# KiCad board st251_20934.kicad_pcb (continued)
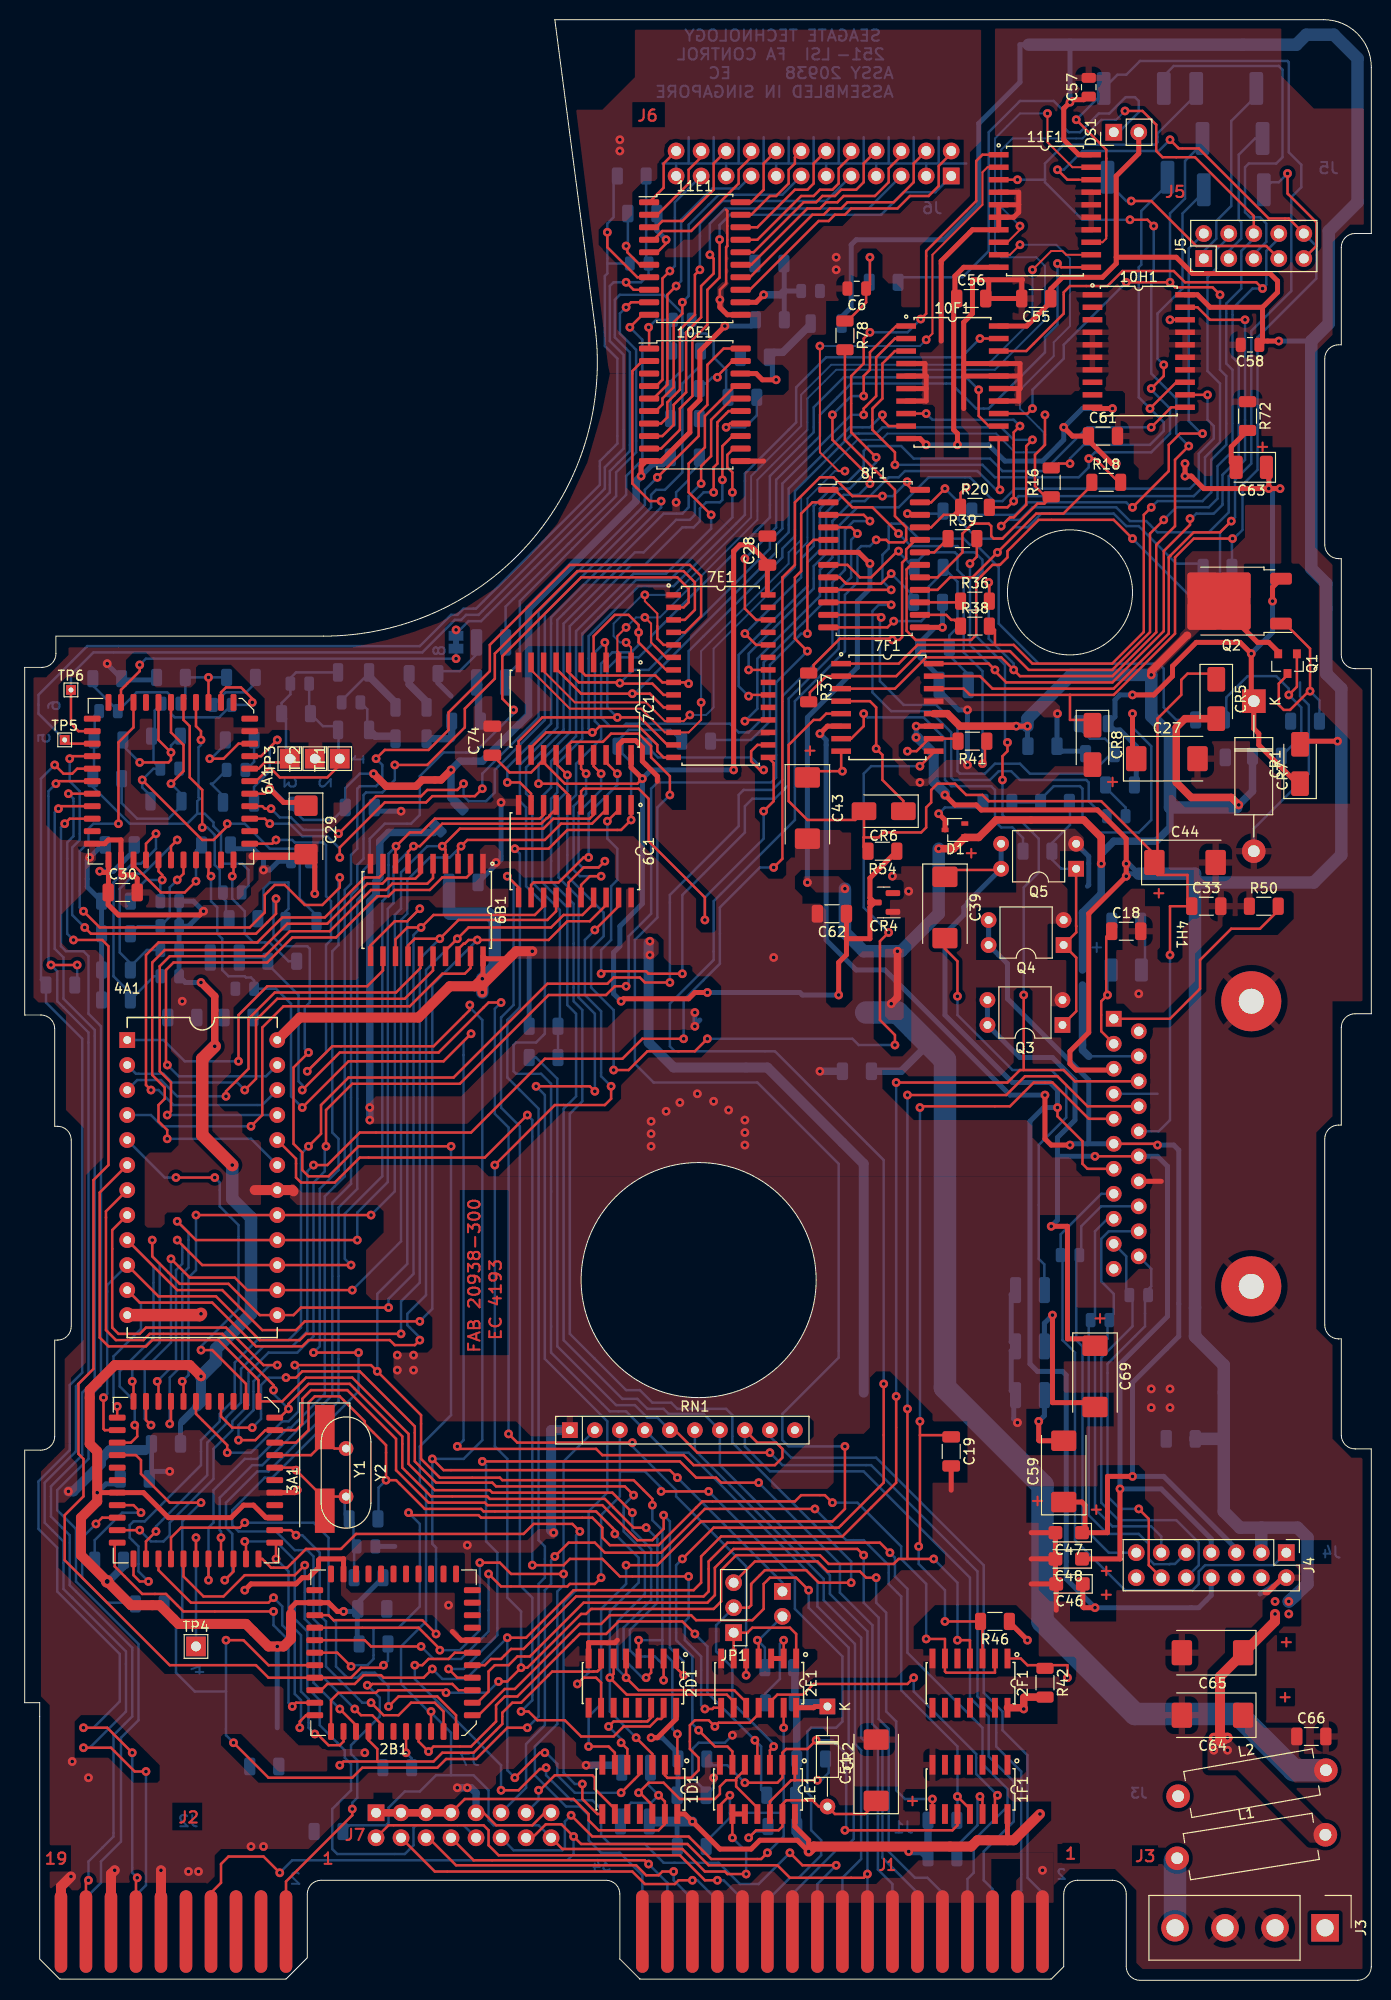
[diagram p0: board, top side]
## Footprints (pads in the part's own frame, mm; a bottom-side part is the same pattern mirrored in y, then rotated)
C_0805_2012Metric
  rrect 1x1.45 smd: 1(-0.95,0) 2(0.95,0)
C_1206_3216Metric
  rrect 1.15x1.8 smd: 1(-1.475,0) 2(1.475,0)
C_1210_3225Metric
  rrect 1.15x2.7 smd: 1(-1.475,0) 2(1.475,0)
CP_EIA-3216-10_Kemet-I
  rrect 1.4x1.35 smd: 1(-1.35,0) 2(1.35,0)
CP_EIA-3528-12_Kemet-T
  rrect 1.325x2.35 smd: 1(-1.538,0) 2(1.538,0)
CP_EIA-6032-20_AVX-F
  rrect 2.075x2.35 smd: 1(-2.462,0) 2(2.462,0)
CP_EIA-7343-31_Kemet-D
  rrect 2.075x2.55 smd: 1(-3.112,0) 2(3.112,0)
Crystal_HC49-U_Vertical
  round 1.5 hole 0.8: 1(0,0) 2(4.88,0)
Crystal_SMD_HC49-SD
  rect 4.5x2 smd: 1(-4.25,0) 2(4.25,0)
D_DO-15_P15.24mm_Horizontal
  rect 2.4x2.4 hole 1.2: 1(0,0)
  oval 2.4x2.4 hole 1.2: 2(15.24,0)
D_DO-35_SOD27_P10.16mm_Horizontal
  rect 1.6x1.6 hole 0.8: 1(0,0)
  oval 1.6x1.6 hole 0.8: 2(10.16,0)
D_SMA
  rrect 2.5x1.8 smd: 1(-2,0) 2(2,0)
DIP254P1524X635-24
  rect 1.6x1.6 hole 0.8: 1(0,0)
  oval 1.6x1.6 hole 0.8: 2(0,-2.54) 3(0,-5.08) 4(0,-7.62) 5(0,-10.16) 6(0,-12.7) 7(0,-15.24) 8(0,-17.78) 9(0,-20.32) 10(0,-22.86) 11(0,-25.4) 12(0,-27.94) 13(15.24,-27.94) 14(15.24,-25.4) 15(15.24,-22.86) 16(15.24,-20.32) 17(15.24,-17.78) 18(15.24,-15.24) 19(15.24,-12.7) 20(15.24,-10.16) 21(15.24,-7.62) 22(15.24,-5.08) 23(15.24,-2.54) 24(15.24,0)
DIP-4_W7.62mm
  rect 1.6x1.6 hole 0.8: 1(0,0)
  oval 1.6x1.6 hole 0.8: 2(0,-2.54) 3(7.62,-2.54) 4(7.62,0)
EDGE_20_100
  oval 1.27x8.382 smd: 1(11.43,0) 3(8.89,0) 5(6.35,0) 7(3.81,0) 9(1.27,0) 11(-1.27,0) 13(-3.81,0) 15(-6.35,0) 17(-8.89,0) 19(-11.43,0)
  oval 1.27x8.382 smd far side: 2(11.43,0) 4(8.89,0) 6(6.35,0) 8(3.81,0) 10(1.27,0) 12(-1.27,0) 14(-3.81,0) 16(-6.35,0) 18(-8.89,0) 20(-11.43,0)
EDGE_34_100
  oval 1.27x8.382 smd: 1(20.32,0) 3(17.78,0) 5(15.24,0) 7(12.7,0) 9(10.16,0) 11(7.62,0) 13(5.08,0) 15(2.54,0) 17(0,0) 19(-2.54,0) 21(-5.08,0) 23(-7.62,0) 25(-10.16,0) 27(-12.7,0) 29(-15.24,0) 31(-17.78,0) 33(-20.32,0)
  oval 1.27x8.382 smd far side: 2(20.32,0) 4(17.78,0) 6(15.24,0) 8(12.7,0) 10(10.16,0) 12(7.62,0) 14(5.08,0) 16(2.54,0) 18(0,0) 20(-2.54,0) 22(-5.08,0) 24(-7.62,0) 26(-10.16,0) 28(-12.7,0) 30(-15.24,0) 32(-17.78,0) 34(-20.32,0)
L_1206_3216Metric
  rrect 1.05x1.9 smd: 1(-1.575,0) 2(1.575,0)
L_Axial_L13.0mm_D4.5mm_P15.24mm_Horizontal_Fastron_HCCC
  round 2.4 hole 1.2: 1(0,0)
  oval 2.4x2.4 hole 1.2: 2(15.24,0)
MOT_DRIVE
  round 6.096 hole 2.54: 0(-14.478,13.97) 0(14.478,13.97)
  rect 1.6x1.6 hole 0.94: 1(-12.7,0)
  round 1.6 hole 0.94: 2(-11.43,2.54) 3(-10.16,0) 4(-8.89,2.54) 5(-7.62,0) 6(-6.35,2.54) 7(-5.08,0) 8(-3.81,2.54) 9(-2.54,0) 10(-1.27,2.54) 11(0,0) 12(1.27,2.54) 13(2.54,0) 14(3.81,2.54) 15(5.08,0) 16(6.35,2.54) 17(7.62,0) 18(8.89,2.54) 19(10.16,0) 20(11.43,2.54) 21(12.7,0)
PinHeader_1x02_P2.54mm_Vertical
  rect 1.7x1.7 hole 1: 1(0,0)
  oval 1.7x1.7 hole 1: 2(0,-2.54)
PinHeader_1x03_P2.54mm_Vertical
  rect 1.7x1.7 hole 1: 1(0,0)
  oval 1.7x1.7 hole 1: 2(0,-2.54) 3(0,-5.08)
PinHeader_2x05_P2.54mm_Vertical
  rect 1.7x1.7 hole 1: 1(0,0)
  oval 1.7x1.7 hole 1: 2(2.54,0) 3(0,-2.54) 4(2.54,-2.54) 5(0,-5.08) 6(2.54,-5.08) 7(0,-7.62) 8(2.54,-7.62) 9(0,-10.16) 10(2.54,-10.16)
PinHeader_2x07_P2.54mm_Vertical
  rect 1.7x1.7 hole 1: 1(0,0)
  oval 1.7x1.7 hole 1: 2(2.54,0) 3(0,-2.54) 4(2.54,-2.54) 5(0,-5.08) 6(2.54,-5.08) 7(0,-7.62) 8(2.54,-7.62) 9(0,-10.16) 10(2.54,-10.16) 11(0,-12.7) 12(2.54,-12.7) 13(0,-15.24) 14(2.54,-15.24)
PinHeader_2x08_P2.54mm_Vertical
  rect 1.7x1.7 hole 1: 1(0,0)
  oval 1.7x1.7 hole 1: 2(2.54,0) 3(0,-2.54) 4(2.54,-2.54) 5(0,-5.08) 6(2.54,-5.08) 7(0,-7.62) 8(2.54,-7.62) 9(0,-10.16) 10(2.54,-10.16) 11(0,-12.7) 12(2.54,-12.7) 13(0,-15.24) 14(2.54,-15.24) 15(0,-17.78) 16(2.54,-17.78)
PinHeader_2x12_P2.54mm_Vertical
  rect 1.7x1.7 hole 1: 1(0,0)
  oval 1.7x1.7 hole 1: 2(2.54,0) 3(0,-2.54) 4(2.54,-2.54) 5(0,-5.08) 6(2.54,-5.08) 7(0,-7.62) 8(2.54,-7.62) 9(0,-10.16) 10(2.54,-10.16) 11(0,-12.7) 12(2.54,-12.7) 13(0,-15.24) 14(2.54,-15.24) 15(0,-17.78) 16(2.54,-17.78) 17(0,-20.32) 18(2.54,-20.32) 19(0,-22.86) 20(2.54,-22.86) 21(0,-25.4) 22(2.54,-25.4) 23(0,-27.94) 24(2.54,-27.94)
PLCC-44_16.6x16.6mm_P1.27mm
  rrect 0.6x1.7 smd: 1(0,8) 2(-1.27,8) 3(-2.54,8) 4(-3.81,8) 5(-5.08,8) 6(-6.35,8) 18(-6.35,-8) 19(-5.08,-8) 20(-3.81,-8) 21(-2.54,-8) 22(-1.27,-8) 23(0,-8) 24(1.27,-8) 25(2.54,-8) 26(3.81,-8) 27(5.08,-8) 28(6.35,-8) 40(6.35,8) 41(5.08,8) 42(3.81,8) 43(2.54,8) 44(1.27,8)
  rrect 1.7x0.6 smd: 7(-8,6.35) 8(-8,5.08) 9(-8,3.81) 10(-8,2.54) 11(-8,1.27) 12(-8,0) 13(-8,-1.27) 14(-8,-2.54) 15(-8,-3.81) 16(-8,-5.08) 17(-8,-6.35) 29(8,-6.35) 30(8,-5.08) 31(8,-3.81) 32(8,-2.54) 33(8,-1.27) 34(8,0) 35(8,1.27) 36(8,2.54) 37(8,3.81) 38(8,5.08) 39(8,6.35)
R_1206_3216Metric
  rrect 1.125x1.75 smd: 1(-1.462,0) 2(1.462,0)
R_1210_3225Metric
  rrect 1.125x2.65 smd: 1(-1.462,0) 2(1.462,0)
R_2512_6332Metric_Pad1.40x3.35mm_HandSolder
  rrect 1.4x3.35 smd: 1(-3.05,0) 2(3.05,0)
R_Array_SIP10
  rect 1.6x1.6 hole 0.8: 1(0,0)
  oval 1.6x1.6 hole 0.8: 2(2.54,0) 3(5.08,0) 4(7.62,0) 5(10.16,0) 6(12.7,0) 7(15.24,0) 8(17.78,0) 9(20.32,0) 10(22.86,0)
Samtec_HPM-04-01-x-S_Straight_1x04_Pitch5.08mm
  rect 2.8x2.8 hole 1.75: 1(0,0)
  round 2.8 hole 1.75: 2(0,-5.08) 3(0,-10.16) 4(0,-15.24)
SOIC-20W_7.5x12.8mm_P1.27mm
  rrect 2.05x0.6 smd: 1(-4.65,5.715) 2(-4.65,4.445) 3(-4.65,3.175) 4(-4.65,1.905) 5(-4.65,0.635) 6(-4.65,-0.635) 7(-4.65,-1.905) 8(-4.65,-3.175) 9(-4.65,-4.445) 10(-4.65,-5.715) 11(4.65,-5.715) 12(4.65,-4.445) 13(4.65,-3.175) 14(4.65,-1.905) 15(4.65,-0.635) 16(4.65,0.635) 17(4.65,1.905) 18(4.65,3.175) 19(4.65,4.445) 20(4.65,5.715)
SOIC-24W_7.5x15.4mm_P1.27mm
  rrect 2.05x0.6 smd: 1(-4.65,6.985) 2(-4.65,5.715) 3(-4.65,4.445) 4(-4.65,3.175) 5(-4.65,1.905) 6(-4.65,0.635) 7(-4.65,-0.635) 8(-4.65,-1.905) 9(-4.65,-3.175) 10(-4.65,-4.445) 11(-4.65,-5.715) 12(-4.65,-6.985) 13(4.65,-6.985) 14(4.65,-5.715) 15(4.65,-4.445) 16(4.65,-3.175) 17(4.65,-1.905) 18(4.65,-0.635) 19(4.65,0.635) 20(4.65,1.905) 21(4.65,3.175) 22(4.65,4.445) 23(4.65,5.715) 24(4.65,6.985)
SolderJumper-2_P1.3mm_Bridged_Pad1.0x1.5mm
  rect 1x1.5 smd: 1(-0.65,0) 2(0.65,0)
SOP127P620X175-14
  rect 2x0.6 smd: 1(-2.5,3.81) 2(-2.5,2.54) 3(-2.5,1.27) 4(-2.5,0) 5(-2.5,-1.27) 6(-2.5,-2.54) 7(-2.5,-3.81) 8(2.5,-3.81) 9(2.5,-2.54) 10(2.5,-1.27) 11(2.5,0) 12(2.5,1.27) 13(2.5,2.54) 14(2.5,3.81)
SOP127P620X175-16
  rect 2x0.6 smd: 1(-2.5,4.445) 2(-2.5,3.175) 3(-2.5,1.905) 4(-2.5,0.635) 5(-2.5,-0.635) 6(-2.5,-1.905) 7(-2.5,-3.175) 8(-2.5,-4.445) 9(2.5,-4.445) 10(2.5,-3.175) 11(2.5,-1.905) 12(2.5,-0.635) 13(2.5,0.635) 14(2.5,1.905) 15(2.5,3.175) 16(2.5,4.445)
SOP127P1065X265-16
  rect 2x0.55 smd: 1(-4.7,4.445) 2(-4.7,3.175) 3(-4.7,1.905) 4(-4.7,0.635) 5(-4.7,-0.635) 6(-4.7,-1.905) 7(-4.7,-3.175) 8(-4.7,-4.445) 9(4.7,-4.445) 10(4.7,-3.175) 11(4.7,-1.905) 12(4.7,-0.635) 13(4.7,0.635) 14(4.7,1.905) 15(4.7,3.175) 16(4.7,4.445)
SOP127P1065X265-20
  rect 2x0.55 smd: 1(-4.7,5.715) 2(-4.7,4.445) 3(-4.7,3.175) 4(-4.7,1.905) 5(-4.7,0.635) 6(-4.7,-0.635) 7(-4.7,-1.905) 8(-4.7,-3.175) 9(-4.699,-4.445) 10(-4.699,-5.715) 11(4.699,-5.715) 12(4.699,-4.445) 13(4.7,-3.175) 14(4.7,-1.905) 15(4.7,-0.635) 16(4.7,0.635) 17(4.7,1.905) 18(4.7,3.175) 19(4.7,4.445) 20(4.7,5.715)
SOP127P1070X255-28
  rect 1.5x0.55 smd: 1(-4.8,8.22) 2(-4.8,6.95) 3(-4.8,5.68) 4(-4.8,4.41) 5(-4.8,3.14) 6(-4.8,1.87) 7(-4.8,0.6) 8(-4.8,-0.67) 9(-4.8,-1.94) 10(-4.8,-3.21) 11(-4.8,-4.48) 12(-4.8,-5.75) 13(-4.8,-7.02) 14(-4.8,-8.29) 15(4.8,-8.29) 16(4.8,-7.02) 17(4.8,-5.75) 18(4.8,-4.48) 19(4.8,-3.21) 20(4.8,-1.94) 21(4.8,-0.67) 22(4.8,0.6) 23(4.8,1.87) 24(4.8,3.14) 25(4.8,4.41) 26(4.8,5.68) 27(4.8,6.95) 28(4.8,8.22)
SOT95P230X117-3
  rect 0.9x0.8 smd: 1(-1,0.95) 2(-1,-0.95) 3(1,0)
SOT-23
  rrect 1.475x0.6 smd: 1(-0.938,0.95) 2(-0.938,-0.95) 3(0.938,0)
SOT-323_SC-70
  rect 0.7x0.45 smd: 1(-1,0.65) 2(-1,-0.65) 3(1,0)
TestPoint_THTPad_1.0x1.0mm_Drill0.5mm
  rect 1x1 hole 0.5: 1(0,0)
TestPoint_THTPad_2.0x2.0mm_Drill1.0mm
  rect 2x2 hole 1: 1(0,0)
TO-252-2
  rrect 2.2x1.2 smd: 1(-5.04,2.28) 3(-5.04,-2.28)
  rrect 3.05x2.75 smd: 2(-0.415,1.525) 2(-0.415,-1.525) 2(2.935,1.525) 2(2.935,-1.525)
  rrect 6.4x5.8 smd: 2(1.26,0)

## Nets
+5V: 1D1.14 1E1.14 1F1.14 2B1.30 2D1.16 2E1.14 2F1.14 3A1.24 3A1.42 4A1.24 4H1.5 6A1.29 6B1.20 6C1.20 7F1.11 10F1.20 10H1.20 11F1.20 C25.1 C26.1 C30.1 C32.1 C34.1 C38.2 C40.1 C45.1 C49.1 C50.1 C52.1 C53.1 C55.1 C57.1 C58.1 C65.1 C68.1 C70.1 C71.1 C72.1 CR1.2 CR2.1 DS1.2 J4.3 JP11.1 L1.2 L11.2 R5.2 R7.2 R10.2 R12.2 R13.2 R19.2 R34.2 R35.1 R42.2 R44.1 R46.1 R58.2 R59.2 R64.2 R70.2 R71.2 R82.1 RN1.10
+5VP: 7C1.13 7C1.20 7E1.28 C28.1 C62.1 C74.1 CR4.3 R54.1
+12V: 4H1.4 7F1.12 8F1.6 C54.1 C64.1 C66.1 C73.1 CR5.2 D1.1 L2.2 Langle1.2 Q1.2 Q2.2 R61.1
+12VA: 6A1.44 10E1.10 C2.1 C15.1 C16.1 C29.1 Langle1.1 R1B1.1
GND: 1D1.7 1E1.7 1F1.7 2B1.13 2B1.27 2D1.8 2E1.7 2F1.7 2F1.12 3A1.44 4A1.12 4A1.18 4H1.0 4H1.2 4H1.7 4H1.14 6A1.5 6A1.28 6A1.30 6B1.1 6B1.10 6C1.10 7C1.10 7C1.19 7E1.1 7E1.17 7F1.13 8F1.13 10E1.11 10F1.4 10F1.5 10F1.6 10F1.7 10F1.14 10F1.15 10F1.16 10F1.17 10H1.1 10H1.4 10H1.5 10H1.6 10H1.7 10H1.14 10H1.15 10H1.16 10H1.17 11E1.11 11F1.4 11F1.5 11F1.6 11F1.7 11F1.14 11F1.15 11F1.16 11F1.17 C1.2 C2.2 C3.1 C4.2 C5.2 C6.2 C8.2 C9.2 C15.2 C16.2 C18.2 C19.2 C27.2 C28.2 C29.2 C30.2 C31.1 C32.2 C33.2 C40.2 C42.2 C43.2 C44.2 C45.2 C46.2 C47.2 C48.2 C49.2 C50.2 C51.2 C52.2 C53.2 C54.2 C55.2 C56.2 C57.2 C58.2 C60.1 C61.2 C62.2 C64.2 C65.2 C66.2 C68.2 C70.2 C71.2 C72.2 C73.2 C74.2 CR4.1 CR7.2 CR8.2 J1.1 J1.3 J1.5 J1.7 J1.9 J1.11 J1.13 J1.15 J1.17 J1.19 J1.21 J1.23 J1.25 J1.27 J1.29 J1.31 J1.33 J2.2 J2.4 J2.6 J2.8 J2.11 J2.12 J2.15 J2.16 J2.19 J2.20 J3.2 J3.3 J4.2 J6.3 J6.7 J6.11 J6.15 J6.19 J6.23 J7.9 J7.15 Q3.2 Q4.2 Q5.2 R3.2 R6.1 R26.1 R27.2 R32.2 R33.2 R33B1.1 R43.1 R45.1 R47.1 R48.1 R49.1 R50.1 R51.2 R53.2 R55.2 R57.1 R60.1 R72.1 RN1.1 TP2.1
/Analog/+RD: 6A1.25 J2.17
/Analog/-RD: 6A1.26 J2.18
/Analog/COILA: 4H1.11 7F1.6 C47.1 C59.1 J4.5 Q4.3 Q4.4
/Analog/COILB: 4H1.12 C48.1 C69.1 J4.7 Q3.3 Q3.4
/Analog/COILC: 4H1.13 C39.1 C46.1 J4.8 Q5.3 Q5.4
/Analog/DRV_SEL: 1E1.8 2E1.13 J7.12 R13.1
/Analog/DS1: J1.26 J7.2
/Analog/DS2: J1.28 J7.4
/Analog/DS3: J1.30 J7.6
/Analog/DS4: J1.32 J7.8
/Analog/HDC1: 10E1.9 J6.1
/Analog/HDC2: 10E1.8 J6.5
/Analog/HDC3: 10E1.7 J6.9
/Analog/HDC4: 10E1.6 J6.13
/Analog/HDC5: 10E1.5 J6.17
/Analog/HDC6: 10E1.4 J6.21
/Analog/HDSEL1: 10E1.17 J1.14 RN1.7
/Analog/HDSEL2: 10E1.16 J1.18 RN1.4
/Analog/HDSEL4: J1.4 JP10.2 RN1.5
/Analog/HDSEL4B: 10E1.15 JP10.1 JP11.2
/Analog/HDSEL8: J1.2 RN1.9
/Analog/INDEX2: 2F1.3 4H1.9 C19.1 R46.2
/Analog/M_ENA: 7E1.26 11F1.11
/Analog/M_ENB: 7E1.24 10H1.11
/Analog/M_ENC: 7E1.22 10F1.1
/Analog/M_END: 7E1.20 11F1.1
/Analog/M_ENE: 7E1.18 10F1.11
/Analog/MOTA+: 7F1.15 11F1.13 R14.2 R67.1
/Analog/MOTA-: 7F1.14 11F1.18 CR8.1 J5.10 R15.2
/Analog/MOTB+: 10H1.13 R16.2 R81.1
/Analog/MOTB-: 10H1.18 J5.2 R17.2
/Analog/MOTC+: 10F1.3 R18.2 R67B1.1
/Analog/MOTC-: 10F1.8 J5.4 R20.2
/Analog/MOTD+: 7F1.3 11F1.3 R36.2 R68.1
/Analog/MOTD-: 7F1.2 11F1.8 J5.6 R37.2
/Analog/MOTE+: 7F1.1 10F1.13 R38.2 R68B1.1
/Analog/MOTE-: 7F1.16 10F1.18 J5.8 R39.2
/Analog/PHASEA+: 4H1.17 C35.1 J4.9
/Analog/PHASEA-: 4H1.18 C35.2 J4.11
/Analog/PHASEB+: 4H1.16 C36.1 J4.13
/Analog/PHASEB-: 4H1.15 C36.2 J4.1
/Analog/PHASEC+: 4H1.19 C37.1 J4.10
/Analog/PHASEC-: 4H1.20 C37.2 J4.12
/Analog/REC_MODE: J1.16 J2.7 J7.14 RN1.6
/Analog/WRT_FAULT: 2E1.1 2E1.6 JP1.1
/Analog/~{WRT_GATE}: 6A1.37 C4.1 J1.6 RN1.8
/Digital/0101: 1D1.6 7C1.15
/Digital/A0: 2D1.1 3A1.5 4A1.8
/Digital/A1: 2D1.2 3A1.6 4A1.7
/Digital/A2: 2D1.3 3A1.7 4A1.6
/Digital/A3: 3A1.8 4A1.5
/Digital/A4: 4A1.4 6B1.19
/Digital/A5: 4A1.3 6B1.15
/Digital/A6: 4A1.2 6B1.16
/Digital/A7: 4A1.1 6B1.12
/Digital/A8: 4A1.23 6B1.2
/Digital/A9: 4A1.22 6B1.9
/Digital/A10: 4A1.19 6B1.6
/Digital/A11: 4A1.21 6B1.5
/Digital/D0: 3A1.20 4A1.9 6B1.18 6C1.18
/Digital/D1: 3A1.19 4A1.10 6B1.14 6C1.14
/Digital/D2: 3A1.18 4A1.11 6B1.17 6C1.17
/Digital/D3: 3A1.17 4A1.13 6B1.13 6C1.13
/Digital/D4: 3A1.16 4A1.14 6B1.3 6C1.3
/Digital/D5: 3A1.15 4A1.15 6B1.8 6C1.8
/Digital/D6: 3A1.14 4A1.16 6B1.7 6C1.7
/Digital/D7: 3A1.13 4A1.17 6B1.4 6C1.4
/Digital/DEBUG_PIN: 3A1.26 R33.1
/Digital/DIRECTION: 6C1.15 7C1.17
/Digital/EMS: 1D1.2 2E1.11
/Digital/MCU_INDEX: 2B1.42 3A1.33
/Digital/PA2: 2B1.39 3A1.31
/Digital/PHI2: 1D1.3 2D1.6 2E1.9 3A1.4 R80.2
/Digital/R/~{W}: 2D1.5 2E1.10 3A1.10
/Digital/~{0100}: 2D1.15 6C1.11
/Digital/~{0101}: 1D1.5 2D1.14
/Digital/~{0105}: 2D1.10 7C1.14
/Digital/~{0107}: 2B1.43 2D1.7
/Digital/~{EMS}: 1D1.1 2D1.4 3A1.12 6B1.11
/Digital/~{HALFSTEP}: 6C1.16 7C1.16
/Digital/~{LATCHED_DIR}: 2B1.41 3A1.40
/Digital/~{MCU_READY_OUT}: 2B1.6 3A1.32
/Digital/~{MCU_TRK0_OUT}: 2B1.5 3A1.41
/Digital/~{MCUSTEP}: 2B1.38 3A1.28
/Digital/~{RECOVERY_MODE}: 1D1.8 3A1.39
ALL_PHASES_ON: 6C1.5 7E1.15
CS_: 6C1.2 8F1.4
DC_UNSAFE: 2B1.31 6A1.40 JP2.1
DRVSEL_OUT: 2B1.9 J2.1
HALL: 2B1.34 2F1.2 2F1.6
INDEX_OUT: 2B1.12 J1.20
LIFE_TEST: 3A1.38 J7.10
MTA+: 7C1.1 7E1.5 11F1.12
MTA-: 7C1.2 7E1.6 11F1.19
MTB+: 7C1.4 7E1.7 10H1.12
MTB-: 7C1.5 7E1.8 10H1.19
MTC+: 7C1.6 7E1.9 10F1.2
MTC-: 7C1.7 7E1.10 10F1.9
MTD+: 7C1.8 7E1.11 11F1.2
MTD-: 7C1.9 7E1.12 11F1.9
MTE+: 7C1.11 7E1.13 10F1.12
MTE-: 7C1.12 7E1.14 10F1.19
READ_DATA: 2B1.36 6A1.24 R35.2
READY_OUT: 2B1.7 J1.22
RECOVERY_MODE: 1D1.9 J7.13
RING: 3A1.30 8F1.24
RIWR1: 6C1.9 10E1.2
RIWR2: 6C1.6 10E1.13
S1: 3A1.37 7E1.2
S2: 3A1.36 7E1.3
S3: 3A1.35 7E1.4
SEEK_COMP: 2B1.11 J1.8
SERIAL_CLOCK: 3A1.29 8F1.3
SERIAL_DATA: 3A1.27 8F1.2
SYS_CLOCK: 1D1.4 2B1.37 4H1.6 8F1.1
TRK0_OUT: 2B1.8 J1.10
VAA: 10F1.10 10H1.10 11F1.10 C42.1 C56.1 C61.1 C63.1 CR1.1 CR7.1 Q2.3 R52.1 R62.2 R63.1
WRT_OK: 2B1.44 6A1.15
WRTFLT_OUT: 2B1.10 J1.12
~{DIR}: 2B1.32 J1.34 RN1.2
~{DRV_SEL}: 1E1.9 1E1.10 2B1.4 6A1.21 J7.16 R10.1
~{INDEX_SYNC}: 2B1.40 2F1.4 4H1.8 6C1.19
~{RESET}: 2B1.35 3A1.21 6C1.1 JP4.1 R40.1
~{RETRACT}: 7C1.3 7F1.9
~{STEP}: 2B1.33 J1.24 RN1.3
~{WRT_FAULT}: 1E1.4 2B1.3 R19.1
Net-(1D1-Pad12): 1D1.12 1E1.5 1E1.11
Net-(1E1-Pad1): 1E1.1 1E1.12 R59.1
Net-(1E1-Pad6): 1E1.6 R78.2
Net-(1F1B-C): 1F1.11 J7.11 R70.1
Net-(1F1B-D): 1F1.12 R71.1
Net-(1F1B-~{Q}): 1F1.8 JP1.3
Net-(1F1B-~{R}): 1F1.13 2E1.12
Net-(1F1B-~{S}): 1E1.2 1F1.10 R58.1
Net-(2B1-BIAS): 2B1.2 R45.2
Net-(2E1-Pad2): 2E1.2 2E1.3 R12.1
Net-(2E1-Pad5): 2E1.5 C5.1 R8.1
Net-(2F1A-~{R}): 2F1.1 R42.1
Net-(3A1-PB7): 3A1.34 TP4.1
Net-(3A1-XTLI): 3A1.3 Y1.1 Y2.1
Net-(3A1-XTLO): 3A1.2 C31.2 R80.1 R82.2 Y1.2 Y2.2
Net-(3A1-~{NMI}): 3A1.25 R44.2
Net-(4A1-~{G}VPP): 2E1.8 4A1.20
Net-(4H1-RC): 4H1.3 C17.1 C18.1
Net-(4H1-RREF): 4H1.1 R50.2
Net-(4H1-UNK1): 4H1.10 7F1.5 C33.1 C44.1 CR5.1 CR6.2 R54.2
Net-(6A1A-VCTAP): 6A1.43 R9.1
Net-(6A1A-WDATA_IN+): 6A1.22 J2.13 R4.2
Net-(6A1A-WDATA_IN-): 6A1.23 J2.14 R4.1
Net-(6A1A-WRITE_CUR): 6A1.16 TP8.2
Net-(6A1A-~{WRT_FAULT}): 6A1.39 R8.2
Net-(6A1B-+ON): 6A1.4 R25.1
Net-(6A1B--ON): 6A1.3 L8.1
Net-(6A1B-DI+): 6A1.1 C14.1 L6.2 R24.1 TP1.1
Net-(6A1B-DI-): 6A1.2 C14.2 L7.2 R24.2 TP3.1
Net-(6A1B-DO+): 6A1.8 C21.1 C22.1 R26.2
Net-(6A1B-DO-): 6A1.9 C24.1 R27.1 R28.2
Net-(6A1C-+C1): 6A1.10 C22.2 C23.1 R30.1 R87.1
Net-(6A1C-+C2): 6A1.12 C67.1 L10.1 R87.2
Net-(6A1C--C1): 6A1.11 C23.2 R29.1
Net-(6A1C--C2): 6A1.13 R30.2 R31.1
Net-(6A1C-OA): 6A1.31 R34.1
Net-(6A1C-TMG1): 6A1.35 C34.2 R51.1
Net-(6A1C-TMG2): 6A1.34 C38.1 R53.1
Net-(6A1C-TMG3): 6A1.33 C25.2 R32.1
Net-(6A1C-TMG4): 6A1.32 C26.2 R33B1.2
Net-(6C1-Q4): 6C1.12 7C1.18
Net-(7E1-~{DIS}): 7E1.16 R40.2
Net-(7F1-CT): 7F1.8 C43.1
Net-(7F1-DRV): 7F1.7 R66.1
Net-(7F1-VC): 7F1.4 CR6.1
Net-(7F1-VREF): 7F1.10 R41.2
Net-(8F1-+A): 8F1.18 R14.1
Net-(8F1-+B): 8F1.17 R16.1
Net-(8F1-+C): 8F1.16 R18.1
Net-(8F1-+D): 8F1.15 R36.1
Net-(8F1-+E): 8F1.14 R38.1
Net-(8F1--A): 8F1.23 R15.1
Net-(8F1--B): 8F1.22 R17.1
Net-(8F1--C): 8F1.21 R20.1
Net-(8F1--D): 8F1.20 R37.1
Net-(8F1--E): 8F1.19 R39.1
Net-(8F1-COMP): 8F1.10 C41.1
Net-(8F1-DAC_SET): 8F1.8 R57.2
Net-(8F1-DRV): 8F1.9 R79.2
Net-(8F1-FB): 8F1.11 R52.2 R60.2
Net-(8F1-NC): 8F1.5 JP4.2
Net-(8F1-RING_SET): 8F1.12 C60.2 R55.1 R56.1
Net-(8F1-VREF): 8F1.7 R41.1 R56.2
Net-(10E1-5V): 10E1.18 C1.1 L11.1
Net-(10E1-IWR1): 10E1.19 R2.1
Net-(10E1-IWR2): 10E1.14 R1.1
Net-(10E1-VCTAP): 10E1.1 C3.2 R9.2
Net-(10E1-VHS): 6A1.42 10E1.20
Net-(10E1-WRT_FAULT_IN): 1E1.3 10E1.12 JP1.2
Net-(11E1-12V): 11E1.12 C8.1 C9.1 R1B1.2
Net-(11E1-DI+): 6A1.19 11E1.8 C10.1 R21.1 TP6.1
Net-(11E1-DI-): 6A1.20 11E1.7 C10.2 R21.2 TP5.1
Net-(11E1-DO+): 11E1.10 C11.1
Net-(11E1-DO-): 11E1.9 C12.1
Net-(11E1-GAIN+): 11E1.6 C7.1
Net-(11E1-GAIN-): 11E1.5 C7.2
Net-(11E1-HD1+): 11E1.14 J6.4
Net-(11E1-HD1-): 11E1.13 J6.2
Net-(11E1-HD2+): 11E1.16 J6.8
Net-(11E1-HD2-): 11E1.15 J6.6
Net-(11E1-HD3+): 11E1.18 J6.12
Net-(11E1-HD3-): 11E1.17 J6.10
Net-(11E1-HD4+): 11E1.20 J6.16
Net-(11E1-HD4-): 11E1.19 J6.14
Net-(11E1-HD6+): 11E1.1 J6.24
Net-(11E1-HD6-): 11E1.2 J6.22
Net-(C6-Pad1): C6.1 R11.2 R78.1
Net-(C11-Pad2): C11.2 R22.2
Net-(C12-Pad2): C12.2 R23.2
Net-(C13-Pad1): C13.1 L4.2 L6.1
Net-(C13-Pad2): C13.2 L5.2 L7.1
Net-(C17-Pad2): C17.2 R49.2
Net-(C20-Pad1): C20.1 R25.2
Net-(C20-Pad2): C20.2 L8.2
Net-(C21-Pad2): C21.2 R28.1
Net-(C24-Pad2): C24.2 C67.2 L9.2 L10.2 R31.2
Net-(C27-Pad1): C27.1 R65.2 R69.1
Net-(C39-Pad2): C39.2 R43.2
Net-(C41-Pad2): C41.2 R63.2
Net-(C59-Pad2): C59.2 R47.2
Net-(C63-Pad2): C63.2 R72.2
Net-(C69-Pad2): C69.2 R48.2
Net-(CR2-A): 1E1.13 C51.1 CR2.2 R64.1
Net-(D1-K): D1.3 R69.2
Net-(DS1-K): DS1.1 R11.1
Net-(J3-Pin_1): J3.1 L2.1
Net-(J3-Pin_4): J3.4 L1.1
Net-(J5-Pin_1): J5.1 R68.2
Net-(J5-Pin_3): J5.3 R68B1.2
Net-(J5-Pin_5): J5.5 R67.2
Net-(J5-Pin_7): J5.7 R81.2
Net-(J5-Pin_9): J5.9 R67B1.2
Net-(J6-Pin_18): 11E1.4 J6.18
Net-(J6-Pin_20): 11E1.3 J6.20
Net-(J7-Pin_1): 1D1.13 J7.1 J7.3 J7.5 J7.7 R6.2 R7.1
Net-(JP2-B): 2E1.4 JP2.2 R5.1
Net-(L4-Pad1): L4.1 R22.1
Net-(L5-Pad1): L5.1 R23.1
Net-(L9-Pad1): L9.1 R29.2
Net-(Q1-B): Q1.1 R61.2 R79.1
Net-(Q1-C): Q1.3 Q2.1 R62.1
Net-(Q3-G): Q3.1 Q4.1 Q5.1 R65.1 R66.2
Net-(TP8-A): R1.2 R2.2 R3.1 TP8.1

Pads without a net: 1D1 10 11; 1F1 1 2 3 4 5 6 9; 2B1 1 14 15 16 17 18 19 20 21 22 23 24 25 26 28 29; 2D1 9 11 12 13; 2F1 5 8 9 10 11 13; 3A1 1 9 11 22 23 43; 4H1 21; 6A1 6 7 14 17 18 27 36 38 41; 7E1 19 21 23 25 27; 10E1 3; 10H1 2 3 8 9; CR4 2; D1 2; J2 3 5 9 10; J4 4 6 14

## Via types
v1: diameter 0.889, hole 0.381, Top to Bottom, 593 vias
v2: diameter 1.27, hole 0.508, Top to Bottom, 1 via

## Routing (per net, layer and track width the routed paths; a pad name or vN(x,y) marks a point on that pad's centre or on a via; arc(x,y) is an arc through that point)
+5V: length 877.9
  Top w0.508: C57.1 107.89,191.33 107.57,191.01 106.43,191.01 v1(106.17,190.75) 105.54,190.12 105.54,186.94 107.06,185.42 11F1.20 ; R46.1 100.01,36.38 v1(101.85,34.54) ; 8.51,112.52 7.75,112.52 v1(7.62,112.65) ; 8.51,112.52 6A1.29 ; 8.51,112.52 8.51,110.52 C30.1 8.48,109.25 9.52,108.2 17.78,108.2 v1(18.16,108.59) ; CR2.1 80.26,27.81 80.14,27.69 2E1.14 ; 110.87,175.01 110.87,174.37 109.47,172.97 105.41,172.97 104.22,171.78 C55.1 104.22,170.47 101.77,168.02 10F1.20 ; 110.87,175.01 116.97,175.01 118.62,173.36 126.49,173.36 127.25,172.59 127.25,171.45 125.73,169.93 ; 110.87,175.01 110.87,183.26 113.16,185.55 DS1.2 ; 1E1.14 78.23,15.62 79.63,14.22 v1(79.63,13.08) 78.49,14.22 74.68,14.22 73.79,13.34 70.61,13.34 v1(67.82,16.13) 67.06,16.89 1D1.14 ; 3A1.42 24.51,46.99 23.24,48.26 22.23,48.26 20.95,46.99 14.6,46.99 12.06,49.53 3A1.24 7.37,49.53 v1(7.37,49.53) ; 125.73,169.93 120.4,169.93 119.13,171.2 10H1.20 ; 125.73,169.93 125.73,166.44 C58.1 125.79,166.5 v1(127.38,166.5) ; 49.47,104.08 49.15,103.76 46.81,103.76 6B1.20 46.55,101.8 ; v1(63.63,24.64) 64.26,24.64 66.17,26.54 2D1.16 ; v1(133.35,125.86) 130.17,125.86 129.86,125.54 CR1.2 ; v1(32.38,37.47) 31.75,37.47 30.86,38.35 2B1.30 27.56,38.35 27.05,37.85 27.05,37.21 ; 99.82,16.89 99.82,14.22 ; 4H1.5 110.49,92.46 106.81,92.46 106.17,93.09 106.17,94.36 108.08,96.27 108.08,108.33 v1(111.89,112.14) v1(111.89,113.41) 111.89,115.95 108.97,118.87 97.16,118.87 96.65,119.38 94.49,119.38 v1(93.47,120.4) ; 7F1.11 v1(90.55,127.38)
  Top w0.762: 99.82,27.69 101.35,27.69 v1(101.47,27.56) 101.47,28.7 101.53,28.76 R42.2 ; v1(17.91,101.35) 19.3,99.95 v1(19.3,94.87)
  Top w1.016: 45.72,100.97 v1(46.48,101.73) ; 45.72,100.97 46.35,100.97 49.91,104.52 v1(51.56,104.52) ; 45.72,100.97 43.18,100.97 40.01,97.79 27.94,97.79 25.65,95.5 ; v1(46.48,101.73) 46.55,101.8 ; v1(46.48,101.73) v1(46.48,100.33) ; 121.28,24.64 v1(122.17,24.64) 121.41,24.26 ; 121.28,24.64 121.41,24.77 121.41,30.86 127,36.45 v1(127,37.21) ; 121.28,24.64 v1(120.78,24.64) ; v1(17.91,61.34) 16.76,62.48 9.14,62.48 6.6,59.94 6.6,54.48 7.37,53.72 v1(7.37,49.53) 7.37,48.64 5.71,46.99 5.71,43.18 v2(8.38,40.51) 10.8,38.1 13.72,38.1 15.62,36.2 22.48,36.2 24.77,33.91 v1(25.65,33.91) 26.29,33.91 27.05,34.67 27.05,37.21 ; v1(103.12,16.89) 100.46,14.22 96.77,14.22 96.14,13.59 80.14,13.59 v1(79.63,13.08)
  Top w1.27: v1(19.3,94.87) 18.03,93.6 18.03,85.85 v1(21.08,82.8)
  Bottom w0.508: 101.98,196.6 101.09,196.6 101.09,192.79 96.9,188.6 96.9,180.34 93.34,176.78 84.46,176.78 83.95,176.28 83.95,169.93 82.98,168.96 82.98,168.28 ; v1(7.62,112.65) 9.02,112.65 11.13,114.76 C32.1 ; v1(111.89,112.14) 112.14,112.4 113.16,112.4 112.14,113.41 v1(111.89,113.41) ; R35.1 33.78,34.35 33.78,37.47 ; C49.1 9.65,50.93 9.14,50.42 8.25,50.42 v1(7.37,49.53) ; v1(51.56,104.52) 51.24,104.2 JP11.1 ; v1(17.91,101.35) 16.32,101.35 C26.1 C25.1 17.14,109.6 v1(18.16,108.59) 16.64,107.06 C34.1 ; R13.2 66.26,13.62 C52.1 66.36,18.89 R58.2 66.36,23.05 64.77,24.64 v1(63.63,24.64) ; C50.1 15.83,56.59 16,56.77 ; 33.78,37.47 33.78,38.29 R82.1 ; 33.78,37.47 v1(32.38,37.47) ; v1(25.65,33.91) 25.65,25.65 ; R34.2 21.27,114.94 23.24,114.94 24.26,113.92 v1(24.26,112.78) 24.89,112.78 25.78,113.67 C71.1 ; v1(90.55,127.38) v1(90.55,126.24) ; v1(106.17,190.75) 106.17,196.6 ; v1(127.38,166.5) 130.68,166.5
  Bottom w0.762: v1(79.63,13.08) 79.63,13.59 78.42,14.79 R64.2 78.49,15.68 78.49,18.61 R19.2 78.42,18.92 R59.2 78.42,27.94 R12.2 ; R12.2 81.15,28.19 CR2.1 ; R12.2 78.23,28.26 78.23,31.62 R5.2 ; v2(8.38,40.51) 8.51,40.51 10.04,42.04 R44.1 ; 16,56.77 17.53,58.29 ; v1(89.79,13.08) 91.12,13.08 R71.2 R70.2
  Bottom w1.016: v1(90.55,126.24) 90.68,126.24 92.33,124.59 92.33,121.73 93.47,120.59 v1(93.47,120.4) ; 17.53,58.29 17.91,58.67 v1(17.91,61.34) ; 85.22,59.69 85.22,82.93 75.44,92.71 65.91,92.71 63.37,95.25 63.37,105.41 ; R7.2 v1(67.82,16.13)
  Bottom w1.27: 113.16,112.4 118.87,112.4 118.87,111.51 ; v1(17.91,61.34) 19.43,62.87 19.43,64.14 22.99,67.69 22.99,77.47 21.08,79.38 v1(21.08,82.8) ; 118.87,111.51 130.94,111.51 133.73,114.3 133.73,131.19 132.21,132.72 132.21,141.86 130.68,143.38 130.68,166.5 132.46,168.28 132.46,177.67 135.38,180.59 135.38,195.2 132.97,197.61 130.17,197.61 129.16,196.6 101.98,196.6 ; 118.87,111.51 118.87,65.41 121.79,62.48 121.79,55.12 ; 129.16,39.12 v1(128.4,38.48) 130.3,40.26 130.3,44.96 129.29,45.97 125.6,45.97 ; 43.1,111.51 43.1,108.41 43.18,108.33 47.12,108.33 47.75,107.7 47.75,103 v1(46.48,101.73) v1(46.48,100.33) ; 125.6,45.97 123.44,45.97 121.79,47.62 121.79,55.12 ; 125.6,45.97 J4.3 ; C53.1 121.67,54.99 121.79,55.12
  vias: v1(63.5,105.54) v1(63.5,104.14) v1(120.78,23.37) v1(122.17,23.37) v1(127,38.48) v1(128.4,37.21)
+5VP: length 129.4
  Top w0.254: v1(62.74,122.05) 62.23,121.54 54.86,121.54 52.71,123.7 52.71,124.46 52.71,123.95 51.43,122.68 49.25,122.68 C74.1
  Top w0.508: v1(69.34,100.33) 68.07,100.33 67.44,99.7 60.83,99.7 v1(60.58,99.44) ; v1(72.01,122.94) 72.01,145.16 72.64,145.8 73.66,145.8 75.44,144.02 C28.1 75.44,140.79 7E1.28 ; 61.6,124.46 61.6,123.19 v1(62.74,122.05) ; R54.1 85.85,111.95 85.85,109.93 CR4.3 85.85,109.01 85.85,105.79 83.47,105.79 ; 83.47,105.79 83.47,104.17 82.68,103.38 v1(82.68,100.08) ; 83.47,105.79 C62.1
  Bottom w0.508: v1(69.34,100.33) 78.74,100.33 78.99,100.08 v1(82.68,100.08) ; v1(72.01,122.94) 63.63,122.94 v1(62.74,122.05) 62.74,109.35 60.45,107.06 60.45,105.03 59.82,104.39 59.82,100.2 v1(60.58,99.44)
+12V: length 360.8
  Top w0.508: Q1.2 127.32,134.94 126.36,135.89 125.22,135.89 122.98,138.13 Q2.2 ; v1(85.85,143.89) 84.71,145.03 8F1.6 ; v1(100.71,127.38) v1(101.85,127.38)
  Top w0.762: v1(114.43,132.59) 114.43,132.97 118.05,136.6 118.11,136.6 ; v1(123.32,119.38) 122.55,120.14 118.49,120.14 116.97,121.67 116.97,127.25 117.86,128.14 CR5.2 ; v1(100.71,127.38) 95,127.38 93.73,128.65 7F1.12 ; v1(88.01,99.19) 88.65,99.82 v1(88.65,104.52) ; v1(109.35,113.41) 109.35,116.08 107.57,117.86 98.68,117.86 96.9,116.08 95.5,116.08 94.36,114.94 v1(92.84,114.94)
  Bottom w0.254: 4H1.4 108.08,93.85
  Bottom w0.508: 68.58,97.54 68.07,97.03 v1(68.07,96.9) v1(68.07,98.3) ; C54.1 101.85,125.4 v1(101.85,127.38) ; v1(85.85,143.89) 85.85,141.35 84.58,140.08 84.58,133.35 79.5,128.27 v1(79.5,111.51)
  Bottom w0.762: 108.08,93.85 107.44,94.49 107.44,101.09 ; 101.85,128.52 v1(101.85,127.38) v1(100.71,127.38) ; 107.44,102.62 107.44,108.46 109.35,110.36 v1(109.35,113.41) 109.35,114.43 110.62,115.7 114.94,115.7 116.33,117.09 116.33,119.13 ; 91.82,95.12 89.03,92.33 86.01,92.33 ; 123.06,119.13 v1(123.32,119.38) 124.71,120.77 R61.1 ; v1(35.05,87.38) v1(35.05,88.65) 35.05,109.6 35.69,110.24 35.69,111.63 36.07,112.01 36.07,115.7 36.96,116.59 41.53,116.59 Langle1.2
  Bottom w1.27: v1(83.31,110.87) 83.31,106.43 85.22,104.52 v1(88.65,104.52) 89.03,104.52 92.84,108.33 v1(92.84,114.94) ; v1(101.85,127.38) 101.85,128.14 106.3,132.59 v1(114.43,132.59) 114.43,128.4 116.33,126.49 116.33,119.13 123.06,119.13
  Bottom w2.286: 85.47,98.3 88.65,98.3 93.47,93.47 93.47,60.2 103.38,50.29 103.38,36.45 112.78,27.05 123.19,27.05 128.9,21.34 L2.2
+12VA: length 101.2
  Top w0.254: 6A1.44 24.38,120.52 v1(24.89,121.03)
  Top w0.508: C29.1 28.27,119.3 27.94,119.63 26.29,119.63 v1(24.89,121.03) ; v1(62.61,152.78) 62.61,153.8 63.12,154.31 10E1.10 64.64,154.31 67.56,157.23 67.56,159.51 68.58,160.53 68.58,165.48 v1(71.12,168.02)
  Top w0.762: v1(43.31,122.94) 42.29,121.92 40.39,121.92 39.75,121.29 36.7,121.29 v1(35.43,122.56)
  Bottom w0.254: v1(24.89,121.03) 25.15,121.03 26.67,119.51 27.24,119.51 27.24,118.93 28.32,117.86 31.29,117.86 C16.1 32.56,121.08 34.04,122.56 v1(35.43,122.56)
  Bottom w0.508: R1B1.1 74.23,168.46 73.79,168.02 v1(71.12,168.02) ; v1(62.61,152.78) 63.75,153.92 64.82,153.92 C2.1
  Bottom w0.762: Langle1.1 43.31,120.08 v1(43.31,122.94) 44.2,123.83 46.48,123.83 51.18,128.52 51.18,139.32 62.1,150.24 62.1,152.27 v1(62.61,152.78)
GND: length 472
  Top w0.254: v1(70.61,170.69) 70.61,171.7 71.25,172.34 71.25,176.02 71.37,176.14 71.37,179.71 71.25,179.83 ; J7.9 46.61,17.02 47.88,15.75 51.56,15.75 52.83,17.02 J7.15
  Top w0.508: 11F1.6 100.46,179.07 100.97,179.58 100.97,180.34 ; 11F1.6 11F1.5 100.97,180.34 ; 11F1.6 11F1.7 96.27,177.8 93.09,174.62 93.09,166.5 ; 2D1.8 57.28,34.29 59.94,34.29 60.2,34.54 ; 100.97,180.34 100.97,181.61 11F1.4 ; 101.09,161.67 101.09,162.94 100.97,162.94 ; 101.09,161.67 10F1.15 ; 101.09,161.67 100.97,161.54 100.97,160.4 10F1.14 ; 95.38,164.21 95.38,162.94 ; 95.38,164.21 95.38,168.4 96.27,169.29 96.27,172.72 97.92,172.72 ; 95.38,164.21 10F1.17 101.09,164.21 101.09,163.07 100.97,162.94 ; 95.38,162.94 10F1.16 100.97,162.94 ; 95.38,162.94 95.38,159.64 ; 91.57,162.94 91.44,163.07 91.44,164.21 10F1.4 ; 91.57,162.94 10F1.5 ; 91.57,162.94 91.57,161.67 ; J4.2 127.76,40.89 126.24,39.37 125.98,39.37 ; C29.2 29.46,113.49 v1(29.46,110.36) ; 60.32,124.46 60.32,125.48 60.77,125.92 62.06,125.92 62.74,125.24 62.74,123.83 64.26,122.3 64.26,121.79 ; v1(22.35,39.62) 22.99,40.26 27.56,40.26 28.19,40.89 28.83,40.89 29.84,41.91 29.84,42.67 29.97,42.8 32.38,42.8 32.38,42.8 2B1.27 ; 3A1.44 27.43,49.53 v1(27.69,49.78) ; v1(70.61,170.69) 70.61,169.93 71.37,169.16 11E1.11 ; 97.92,172.72 101.35,172.72 101.27,172.64 C55.2 C56.2 97.92,171.12 97.92,172.72 ; C19.2 94.11,49.78 ; 43.43,35.43 44.32,34.54 2B1.13 ; C46.2 104.78,37.59 ; C46.2 104.69,40.34 C47.2 102.23,45.47 ; C46.2 102.23,40.26 ; 10E1.11 75.06,154.31 ; 6A1.28 8.13,115.44 8.51,115.82 9.78,115.82 6A1.30 9.78,112.27 11.05,112.27 11.43,111.89 C30.2 ; 10F1.7 91.57,160.4 91.57,161.67 ; 91.57,161.67 10F1.6 ; C48.2 102.23,42.8 ; 8F1.13 v1(93.22,137.41) ; 4H1.14 115.44,81.15
  Top w0.762: 23.11,114.17 28.37,114.17 C29.2
  Top w1.016: v1(9.14,11.18) 8.76,10.8 J2.15 ; v1(4.7,10.54) 3.68,9.53 J2.19 ; J2.11 v1(13.84,11.18) ; 27.3,80.14 27.18,80.26 23.37,80.26
  Top w1.27: v1(17.91,67.69) 17.78,67.56 4A1.12
  Bottom w0.254: 71.25,184.53 J6.19 ; 71.25,184.53 76.33,184.53 ; 71.25,184.53 66.17,184.53 ; 86.49,184.53 91.57,184.53 ; 86.49,184.53 J6.7 ; 86.49,184.53 81.41,184.53 ; 91.57,184.53 J6.3 ; 91.57,184.53 92.84,184.53 ; J6.23 66.17,184.53 ; 66.17,184.53 64.77,184.53 ; v1(66.17,150.11) 66.17,151.13 67.44,152.4 67.44,152.91 68.53,154 C2.2 ; 80.13,184.54 80.13,187.2 ; 4H1.7 115.06,90.04 ; 129.54,131.83 129.54,130.43 130.43,129.54 130.43,122.56 124.84,116.97 CR7.2 ; 76.33,184.53 J6.15 ; 76.33,184.53 81.41,184.53 ; 90.3,184.53 90.3,187.2 ; 81.41,184.53 J6.11 ; 92.84,184.53 95.63,184.53 ; 92.84,184.53 92.84,187.2 ; 69.98,184.53 69.98,187.2 ; 85.22,184.53 85.22,187.2 ; 72.52,184.53 72.52,187.2 ; 82.68,184.53 82.68,187.2 ; 67.44,184.53 67.44,187.2 ; 87.76,184.53 87.76,187.2 ; 75.06,184.53 75.06,187.2 ; v1(69.98,20.57) 69.98,19.56 C52.2 69.22,19.18 67.82,20.57 67.82,23.5 68.45,24.13 71.12,24.13 v1(71.88,24.89) ; 77.6,184.53 77.6,187.2
  Bottom w0.508: 12.88,51.69 C50.2 12.24,53.85 ; 12.88,51.69 v1(14.73,51.69) ; 12.88,51.69 12.65,51.46 C49.2 12.88,51.15 12.88,51.69 ; Q5.2 108.08,114.16 108.08,111.25 107.95,111.12 ; R33B1.1 R51.2 R32.2 6.35,111.06 6.35,113.79 v1(6.6,114.05) 7.87,115.32 C32.2 ; C72.2 48.39,113.84 v1(48.39,119.63) ; J4.2 125.48,39.24 ; C16.2 35.89,118.75 v1(38.23,118.75) ; R57.1 93.22,137.42 v1(93.22,137.41) 92.46,137.41 90.93,135.89 90.93,134.37 92.89,132.41 C60.1 92.89,131.02 94.87,129.03 v1(95.76,129.03) v1(95.76,123.44) ; R43.1 100.2,69.66 100.2,64.83 R48.1 100.2,63.95 100.2,59.88 R47.1 100.46,59.25 100.46,57.02 v1(100.84,56.64) ; v1(104.9,128.65) 104.85,128.6 C54.2 105.36,124.84 107.31,124.84 107.57,124.59 R60.1 ; 4.57,49.78 v1(4.45,49.66) ; C31.1 37.59,44.07 ; R27.2 13.14,132.08 9.97,132.08 R26.1 8.38,133.67 v1(8.38,133.73) ; C71.2 29.46,113.16 v1(29.46,110.36) ; 36.83,38.35 36.78,38.31 C68.2
  Bottom w0.762: J7.9 45.85,19.05 45.34,19.56 v1(44.96,19.56) v1(43.94,19.56) ; R6.1 60.39,21.84 v1(57.02,21.84) ; C73.2 v1(80.77,92.33)
  Bottom w1.016: v1(9.14,11.18) 8.76,10.8 J2.15 ; J2.19 3.68,9.53 v1(4.7,10.54) ; v1(4.45,49.66) 4.95,49.66 7.75,52.45 7.75,52.96 8.64,53.85 12.24,53.85 ; v1(53.72,45.47) 53.47,45.72 53.47,55.88 RN1.1 ; J2.11 v1(13.84,11.18)
  vias: v1(4.83,22.23) v1(6.48,20.57) v1(16,99.44) v1(16.64,11.05) v1(17.65,11.05) v1(22.99,13.59) v1(24.26,13.59) v1(34.54,23.11) v1(37.85,63.5) v1(37.85,61.98) v1(39.5,63.5) v1(39.5,61.98) v1(43.05,38.1) v1(44.96,44.2) v1(47.88,113.54) v1(60.45,186.94) v1(60.45,185.8) v1(63.63,87.25) v1(63.63,85.98) v1(63.63,84.71) v1(65.15,88.27) v1(66.55,89.15) v1(68.33,90.04) v1(69.98,89.28) v1(71.5,88.39) v1(73.15,87.38) v1(73.15,86.11) v1(73.15,84.84) v1(76.07,103.89) v1(82.42,175.01) v1(82.42,173.74) v1(88.14,112.14) v1(89.79,110.62) v1(90.93,121.67) v1(103.38,11.18) v1(113.16,100.2) v1(114.43,60.07) v1(114.43,58.17) v1(116.33,60.07) v1(116.33,58.17)
/Analog/+RD: length 126.6
  Top w0.254: v1(6.48,10.16) 6.22,9.91 J2.17 ; 6A1.25 3.68,119.25 v1(3.43,119)
  Bottom w0.254: v1(6.48,10.16) 6.48,12.07 9.02,14.61 9.02,24.89 10.92,26.8 10.92,33.78 4.57,40.13 4.57,45.21 2.67,47.12 2.67,50.17 5.84,53.34 5.84,59.69 7.11,60.96 7.11,96.52 3.94,99.7 3.94,103.89 3.05,104.78 3.05,118.62 v1(3.43,119)
/Analog/-RD: length 125.9
  Top w0.254: v1(4.06,117.48) 4.57,117.98 6.86,117.98
  Bottom w0.254: J2.18 6.22,8.38 7.75,9.91 7.75,12.07 9.78,14.1 9.78,24.64 11.56,26.42 11.56,34.16 5.21,40.51 5.21,45.85 3.3,47.75 3.3,49.78 6.48,52.96 6.48,59.18 7.75,60.45 7.75,96.9 6.48,98.17 6.48,104.01 5.97,104.52 4.19,104.52 3.68,105.03 3.68,117.09 v1(4.06,117.48)
/Analog/COILA: length 167.7
  Top w0.254: v1(115.06,84.84) 114.94,84.96 4H1.11
  Top w0.508: C59.1 107.38,48.58 107.7,48.26 107.7,45.77 C47.1 109.98,45.47 109.98,51.18 v1(112.52,51.18) ; v1(103.63,89.92) 103.63,85.47 104.27,84.84 v1(106.17,84.84) ; 7F1.6 81.53,127.38 v1(80.77,126.62)
  Bottom w0.254: v1(115.06,84.84) 114.94,84.96 4H1.11
  Bottom w0.508: 4H1.11 107.95,84.96 ; 107.95,84.96 106.3,84.96 v1(106.17,84.84) ; 107.95,84.96 108.08,85.09 108.08,91.44 99.82,99.7 99.82,103.25 98.93,104.14 98.92,104.14 Q4.4 Q4.3 ; v1(80.77,126.62) 81.41,125.98 81.41,105.66 84.46,102.62 87.38,102.62 100.08,89.92 v1(103.63,89.92) ; v1(115.06,84.84) 116.71,84.84 117.22,84.33 117.22,65.41 112.52,60.71 v1(112.52,51.18) 115.7,51.18 123.06,43.82 J4.5
/Analog/COILB: length 120.1
  Top w0.254: 4H1.12 v1(108.71,83.69)
  Top w0.508: v1(104.27,76.58) 105.92,76.58 105.92,65.15 108.01,65.15 C69.1 ; v1(111.25,49.91) 111.25,42.8 C48.1
  Bottom w0.254: v1(108.71,83.69) 4H1.12
  Bottom w0.508: 97.92,96.9 101.09,93.73 104.39,93.73 106.68,91.44 106.68,87.38 104.9,85.6 104.9,83.69 ; J4.7 120.52,44.83 115.44,49.91 v1(111.25,49.91) 111.25,62.61 116.08,67.44 116.08,82.68 115.06,83.69 4H1.12 ; 104.9,83.69 104.9,77.22 v1(104.27,76.58) ; 104.9,83.69 v1(108.71,83.69) ; Q3.4 Q3.3
